# Altium PCB PCB_power_unit_3.PcbDoc
Units mm, origin at the board's own origin, x right, y up, seen from the top; angles counter-clockwise.
Board outline 73 x 61.5 mm, 4 copper layers (Top Layer, INT1, INT2, Bottom Layer), stack 1.49 mm thick; 103 components, 46 nets, 341 pads, 100 vias.
Unrouted connection lines stored in the file: 147.
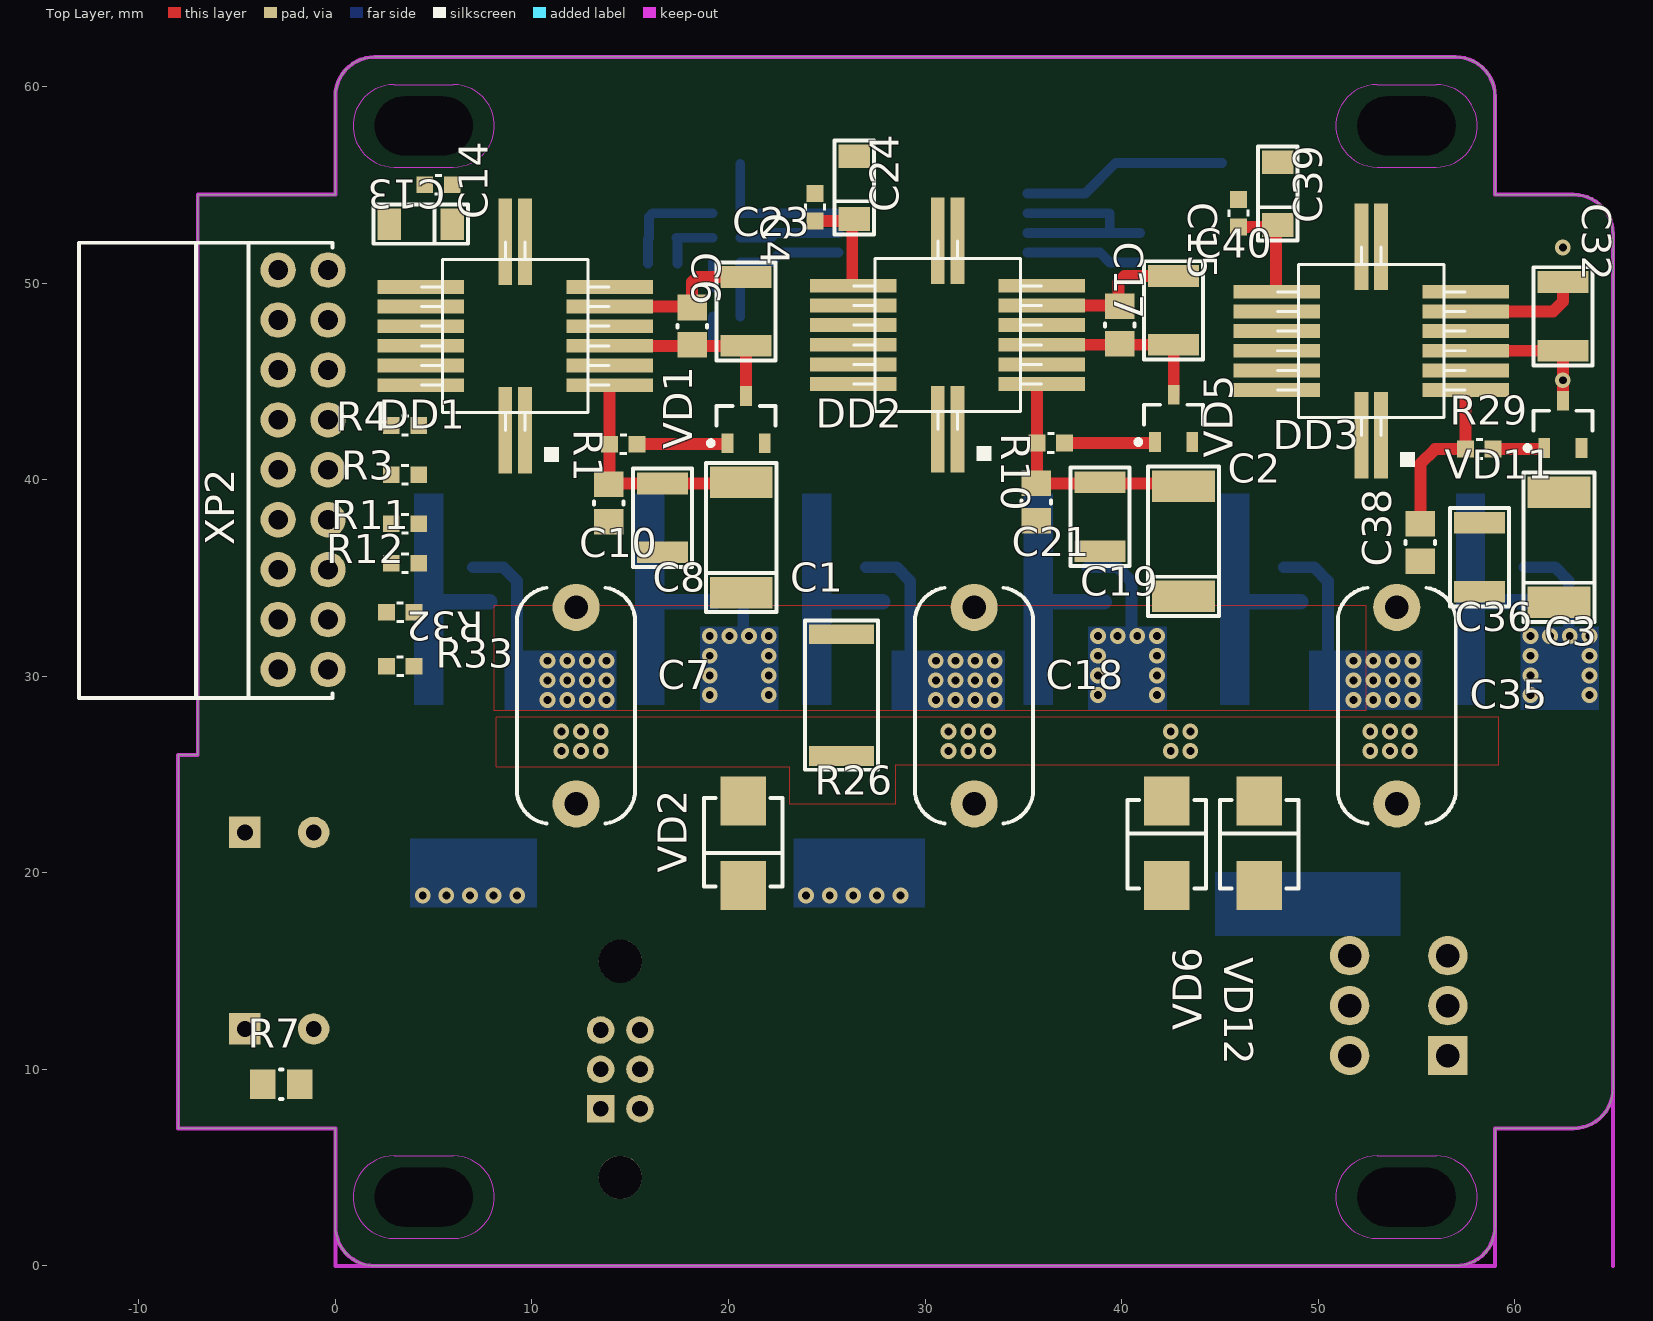
[diagram p0: Top Layer view]
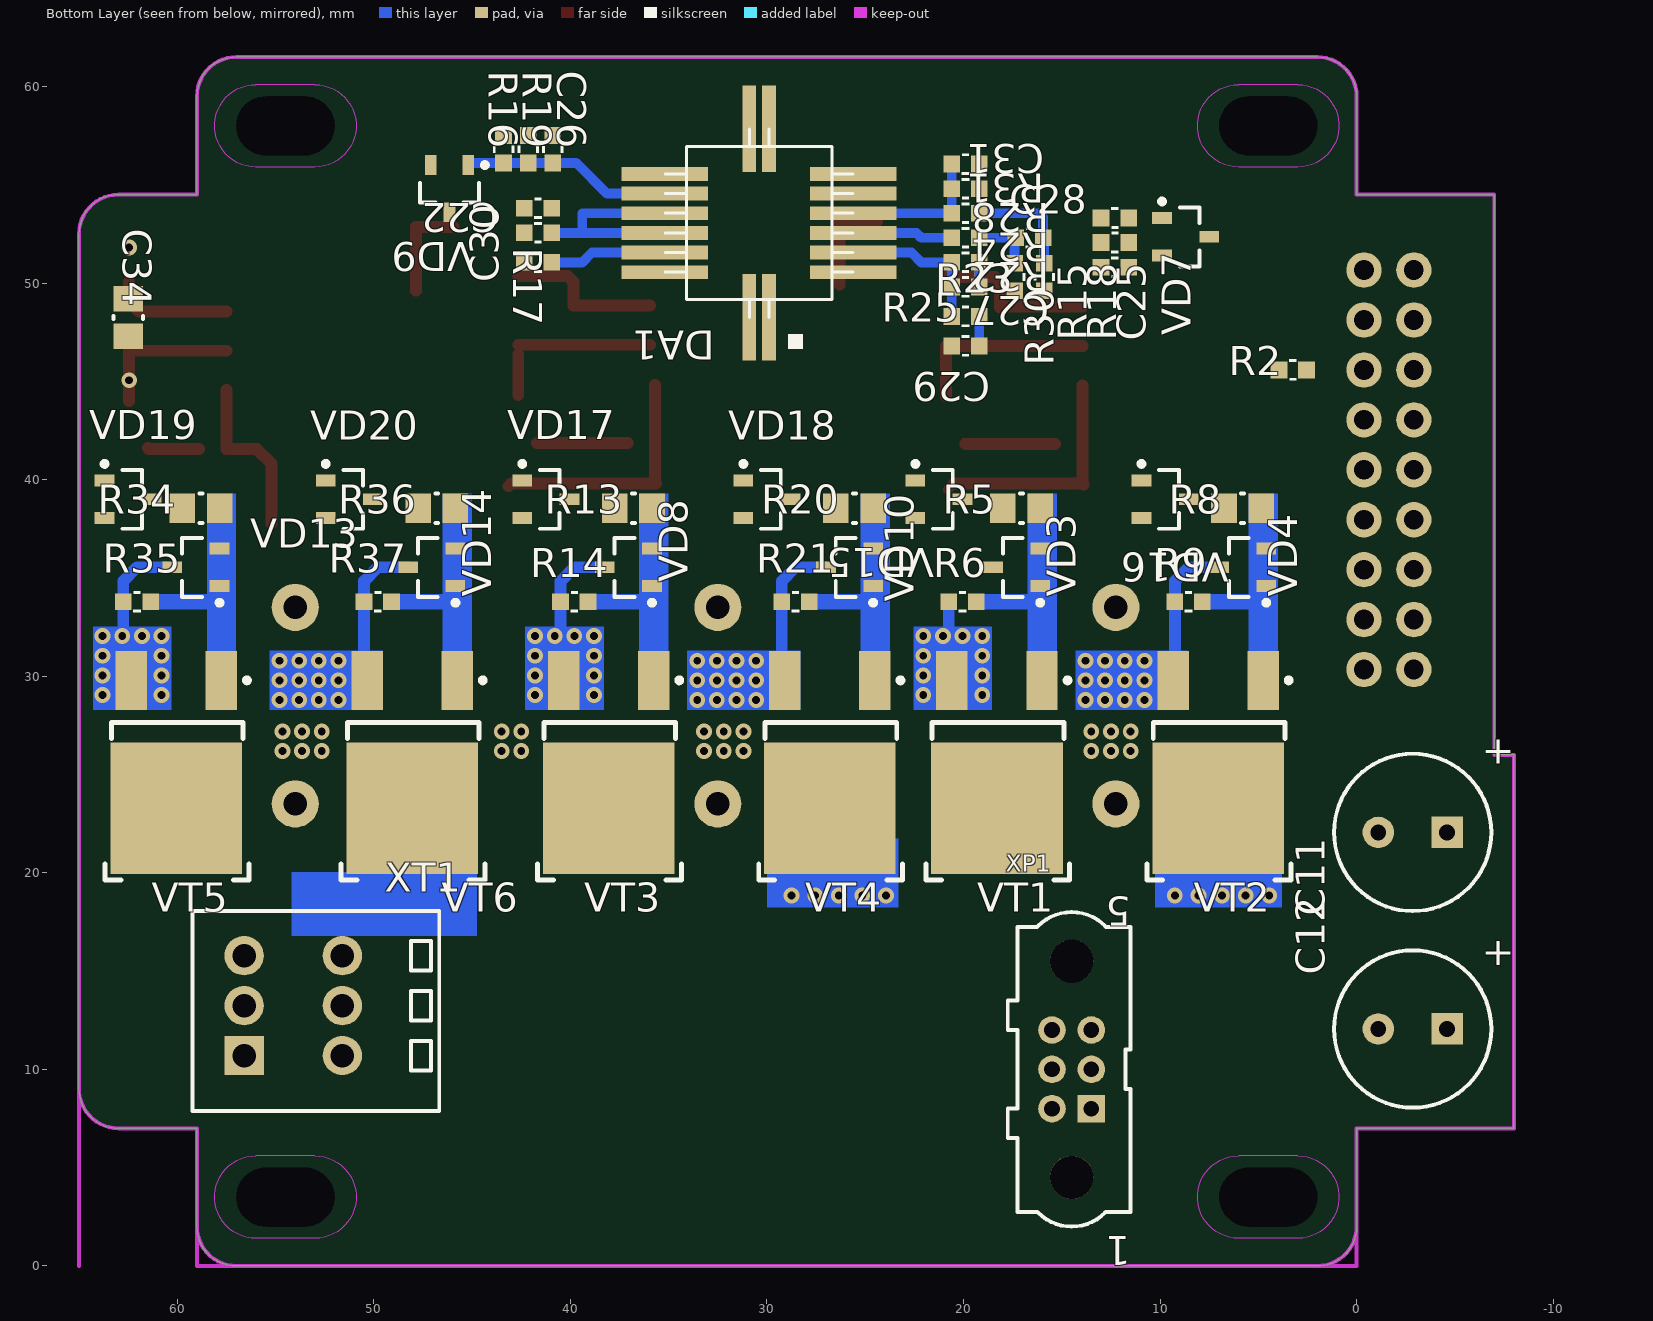
[diagram p1: Bottom Layer view, seen from below]

## Layer stack, top to bottom
Top Solder: solder mask 0.0102, Solder Resist, Dk 3.5
Top Layer: signal copper 0.035
PREPREG1: prepreg 0.32, 2116+7628, Dk 4.2
INT1: signal copper 0.035
CORE1: core 0.71, FR-4, Dk 4.2
INT2: signal copper 0.035
PREPREG2: prepreg 0.32, 2116+7628, Dk 4.2
Bottom Layer: signal copper 0.035
Bottom Solder: solder mask 0.0102, Solder Resist, Dk 3.5

## Board outline
0,2 0,7 -8,7 -8,26 -7,26 -7,54.5 0,54.5 0,59.5 cw(c2,59.5) 2,61.5 57,61.5 cw(c57,59.5) 59,59.5 59,54.5 63,54.5 cw(c63,52.5) 65,52.5 65,9 cw(c63,9) 63,7 59,7 59,2 cw(c57,2) 57,0 2,0 cw(c2,2)

## Design rules (kind name [scope] priority, off if disabled: settings)
Clearance KeepOurLayer [OnLayer('Keep-Out Layer')] p1: gap=0.5 ignorepadtopadclearanceinfootprint=FALSE except(0: Arc-Hole Track-Hole SMDPad-Hole THPad-Hole Via-Hole Fill-Hole Poly-Hole Region-Hole Text-Hole)
Clearance "Clearance_+27V and PGND" [InNetClass('DCBUS') vs InNetClass('DCBUS')] p2: gap=0.5 ignorepadtopadclearanceinfootprint=FALSE // между 27В и PGND
Clearance Clearance_DCBUS-Phases [InNetClass('DCBUS') vs InNetClass('MotorPhases')] p3: gap=0.5 ignorepadtopadclearanceinfootprint=FALSE // между ЗПТ и фазами
Clearance Clearance_Polygon [InPolygon] p4: gap=0.4 ignorepadtopadclearanceinfootprint=FALSE except(0: Arc-Hole Track-Hole SMDPad-Hole THPad-Hole Via-Hole Fill-Hole Poly-Hole Region-Hole Text-Hole)
Clearance Clearance_Fill [IsFill] p5: gap=0 ignorepadtopadclearanceinfootprint=FALSE
Clearance Clearance_IsRegion [IsRegion] p6: gap=0 ignorepadtopadclearanceinfootprint=FALSE
Clearance Clearance_MultiLayerPad [OnLayer('Multi-Layer') and IsPad] p7: gap=0.25 ignorepadtopadclearanceinfootprint=FALSE
Clearance [All] p8: gap=0.2 ignorepadtopadclearanceinfootprint=FALSE except(0: Arc-Hole Track-Hole SMDPad-Hole THPad-Hole Via-Hole Fill-Hole Poly-Hole Region-Hole Text-Hole; 0.25: SMDPad-Via THPad-Via)
ComponentClearance ComponentClearance_harwin [InComponent('XP1')] p1: gap=0.254 collisioncheckmode=3 verticalgap=2540 showdistances=FALSE
ComponentClearance ComponentClearance_caps [HasFootprint('CAP: 1210') vs HasFootprint('CAP: 1210')] p2: gap=-1 collisioncheckmode=3 verticalgap=2540 showdistances=FALSE
ComponentClearance [All] p3: gap=0.254 collisioncheckmode=3 verticalgap=0.254 showdistances=FALSE
DiffPairsRouting [All] p1: maxlimit=0.254 minlimit=0.15 mostfreqgap=0.254 toplayer_minwidth=0.15 toplayer_maxwidth=0.381 toplayer_prefwidth=0.381 midlayer1_minwidth=0.15 midlayer1_maxwidth=0.381 midlayer1_prefwidth=0.381 midlayer2_minwidth=0.15 midlayer2_maxwidth=0.381 midlayer2_prefwidth=0.381 bottomlayer_minwidth=0.15 bottomlayer_maxwidth=0.381 bottomlayer_prefwidth=0.381 maxuncoupledlength=12.7
Height [All] p1: minheight=0 maxheight=60 prefheight=12.7
HoleSize [All] p1: absolutevalues=TRUE maxlimit=5 minlimit=0.3 maxpercent=80.000 minpercent=20.000
HoleToHoleClearance [All] p1: gap=0.2 allowstackedmicrovias=TRUE
MinimumAnnularRing MinimumAnnularRing_1 [All] p1: minimumring=0.2
MinimumSolderMaskSliver [All] p1: minsoldermaskwidth=0.15
PlaneClearance [All] p1: clearance=0.5
PlaneConnect [All] p1: planeconnectstyle=Relief reliefexpansion=0.5 reliefentries=4 reliefconductorwidth=0.3 reliefairgap=0.2
PolygonConnect PolygonConnect_direct [All vs InPadClass('PowerPAD')] p1: connectstyle=Direct reliefconductorwidth=1 reliefentries=4 polygonreliefangle="90 Angle" airgapwidth=0.3
PolygonConnect PolygonConnect_thik [InComponentClass('+27 MOSFET')] p2: connectstyle=Relief reliefconductorwidth=1.5 reliefentries=4 polygonreliefangle="90 Angle" airgapwidth=0.3
PolygonConnect PolygonConnect_Via [IsVia] p3: connectstyle=Direct reliefconductorwidth=0.254 reliefentries=4 polygonreliefangle="90 Angle" airgapwidth=0.254
PolygonConnect [All] p4: connectstyle=Relief reliefconductorwidth=0.8 reliefentries=4 polygonreliefangle="90 Angle" airgapwidth=0.4
RoutingVias [All] p1: holewidth=0.3 width=0.7 viastyle="Through Hole" minholewidth=0.3 minwidth=0.7 maxholewidth=0.5 maxwidth=1.2
SilkToSilkClearance [All] p1: silktosilkclearance=0
SilkToSolderMaskClearance [IsPad] p1: minsilkscreentomaskgap=0.005 clearancetoexposedcopper=TRUE
SolderMaskExpansion [All] p1: expansion=0.1
Width [All] p1: maxlimit=10 minlimit=0.2 preferedwidth=0.6
20 further rules are at their usual default settings.

## Classes and differential pairs
pad class PowerPad: XT1-1 XT1-2 XT1-3

## Components (designator, comment, footprint, x,y, rotation, side; value= is the part's Value field where it differs from the comment)
C1 "Tantalum capacitor, 10мк, 25V, ±10%, 0.8-1Ohm, case C (6032), -60...+125°C" "CAP: TANTAL-C" 20.65,37.055 r90 top value=10мк
C2 "Tantalum capacitor, 10мк, 25V, ±10%, 0.8-1Ohm, case C (6032), -60...+125°C" "CAP: TANTAL-C" 43.15,36.86 r90 top value=10мк
C3 "Tantalum capacitor, 10мк, 25V, ±10%, 0.8-1Ohm, case C (6032), -60...+125°C" "CAP: TANTAL-C" 62.25,36.555 r90 top value=10мк
C4 "Ceramic capacitor, 1мк, Н20 (X7R), ±10%, 25V, 1210, -55...+125°C" "CAP: 1210" 20.9,48.555 r270 top value=1мк
C6 "Ceramic capacitor, 0.1мк, Н90 (Y5V), +80 -20%, 50V, 0805 (2012), -55...+125°C" "CAP: 0805P" 18.15,47.805 r270 top value=0.1мк
C7 "Film capacitor, 0.22мк, 63VDC, ±10%, Impedance, 12x10 mm, -60...+125°C" "CAP: K73-17 12X10X6" 12.25,28.5 r90 top value=0.22мк
C8 "Ceramic capacitor, 1мк, Н20 (X7R), ±10%, 25V, 1210, -55...+125°C" "CAP: 1210" 16.65,38.055 r90 top value=1мк
C10 "Ceramic capacitor, 0.1мк, Н90 (Y5V), +80 -20%, 50V, 0805 (2012), -55...+125°C" "CAP: 0805P" 13.9,38.805 r90 top value=0.1мк
C11 "Aluminium capacitor, 100мк, 63V, ±20%, 0.342Ohm@100kHz, 8x11.3x3.5 mm, -60...+100°C" "CAP: D8C3.5H12" -2.85,22.052 r0 bottom value=100мк
C12 "Aluminium capacitor, 100мк, 63V, ±20%, 0.342Ohm@100kHz, 8x11.3x3.5 mm, -60...+100°C" "CAP: D8C3.5H12" -2.85,12.052 r0 bottom value=100мк
C13 "Tantalum capacitor, 4.7мк, 10V, ±10%, 2Ohm, case A (3216), -55...+125°C" "CAP: TANTAL-A" 4.35,53 r180 top value=4.7мк
C14 "Ceramic capacitor, 0.1мк, H90, +80-20%, 10V, 0603, -55...+125°C" "CAP: 0603P" 5.25,55 r0 top value=0.1мк
C15 "Ceramic capacitor, 1мк, Н20 (X7R), ±10%, 25V, 1210, -55...+125°C" "CAP: 1210" 42.65,48.61 r270 top value=1мк
C17 "Ceramic capacitor, 0.1мк, Н90 (Y5V), +80 -20%, 50V, 0805 (2012), -55...+125°C" "CAP: 0805P" 39.9,47.86 r270 top value=0.1мк
C18 "Film capacitor, 0.22мк, 63VDC, ±10%, Impedance, 12x10 mm, -60...+125°C" "CAP: K73-17 12X10X6" 32.5,28.5 r90 top value=0.22мк
C19 "Ceramic capacitor, 1мк, Н20 (X7R), ±10%, 25V, 1210, -55...+125°C" "CAP: 1210" 38.9,38.11 r90 top value=1мк
C21 "Ceramic capacitor, 0.1мк, Н90 (Y5V), +80 -20%, 50V, 0805 (2012), -55...+125°C" "CAP: 0805P" 35.65,38.86 r90 top value=0.1мк
C22 "Ceramic capacitor, 0.01мк, H20, ±20%, 50V, 0603, -55...+125°C" "CAP: 0603P" 41.65,53.802 r180 bottom value=0.01мк
C23 "Ceramic capacitor, 0.1мк, H90, +80-20%, 10V, 0603, -55...+125°C" "CAP: 0603P" 24.4,53.86 r270 top value=0.1мк
C24 "Tantalum capacitor, 4.7мк, 10V, ±10%, 2Ohm, case A (3216), -55...+125°C" "CAP: TANTAL-A" 26.4,54.86 r90 top value=4.7мк
C25 "Ceramic capacitor, 0.01мк, H20, ±20%, 50V, 0603, -55...+125°C" "CAP: 0603P" 12.302,53.31 r0 bottom value=0.01мк
C26 "Ceramic capacitor, 0.01мк, H20, ±20%, 50V, 0603, -55...+125°C" "CAP: 0603P" 40.9,56.802 r90 bottom value=0.01мк
C27 "Ceramic capacitor, 47, МП0, ±10%, 50V, 0603, -55...+125°C" "CAP: 0603P" 19.9,49.802 r180 bottom value=47
C28 "Ceramic capacitor, 0.01мк, H20, ±20%, 50V, 0603, -55...+125°C" "CAP: 0603P" 16.65,52.302 r180 bottom value=0.01мк
C29 "Ceramic capacitor, 0.01мк, H20, ±20%, 50V, 0603, -55...+125°C" "CAP: 0603P" 19.9,46.802 r0 bottom value=0.01мк
C30 "Ceramic capacitor, 0.1мк, H90, +80-20%, 10V, 0603, -55...+125°C" "CAP: 0603P" 41.65,51.052 r180 bottom value=0.1мк
C31 "Ceramic capacitor, 47, МП0, ±10%, 50V, 0603, -55...+125°C" "CAP: 0603P" 19.9,56.052 r180 bottom value=47
C32 "Ceramic capacitor, 1мк, Н20 (X7R), ±10%, 25V, 1210, -55...+125°C" "CAP: 1210" 62.45,48.305 r270 top value=1мк
C34 "Ceramic capacitor, 0.1мк, Н90 (Y5V), +80 -20%, 50V, 0805 (2012), -55...+125°C" "CAP: 0805P" 62.5,48.25 r270 bottom value=0.1мк
C35 "Film capacitor, 0.22мк, 63VDC, ±10%, Impedance, 12x10 mm, -60...+125°C" "CAP: K73-17 12X10X6" 54,28.5 r90 top value=0.22мк
C36 "Ceramic capacitor, 1мк, Н20 (X7R), ±10%, 25V, 1210, -55...+125°C" "CAP: 1210" 58.2,36.055 r90 top value=1мк
C38 "Ceramic capacitor, 0.1мк, Н90 (Y5V), +80 -20%, 50V, 0805 (2012), -55...+125°C" "CAP: 0805P" 55.2,36.805 r90 top value=0.1мк
C39 "Tantalum capacitor, 4.7мк, 10V, ±10%, 2Ohm, case A (3216), -55...+125°C" "CAP: TANTAL-A" 47.95,54.555 r90 top value=4.7мк
C40 "Ceramic capacitor, 0.1мк, H90, +80-20%, 10V, 0603, -55...+125°C" "CAP: 0603P" 45.95,53.555 r270 top value=0.1мк
DA1 "544УД16У3 (Н04.16-1В) АЕЯР.431130.510 ТУ_разнесенная 1" 16-Н04.16-1B 30.4,53.052 r0 bottom
DD1 "Hight&Low side gate driver, VoltageWork, Frequency, 2A, supply 4...15V, Temperature, Н04.16-2В" 16-Н04.16-1B 9.15,47.305 r180 top
DD2 "Hight&Low side gate driver, VoltageWork, Frequency, 2A, supply 4...15V, Temperature, Н04.16-2В" 16-Н04.16-1B 31.15,47.36 r180 top
DD3 "Hight&Low side gate driver, VoltageWork, Frequency, 2A, supply 4...15V, Temperature, Н04.16-2В" 16-Н04.16-1B 52.7,47.055 r180 top
R1 "Resistor film, 10, ±5%, 0603, 0.1W, -55...+125°C" "RES: 0603P" 14.65,41.805 r0 top value=10
R2 "Resistor film, 10k, ±5%, 0603, 0.1W, -55...+125°C" "RES: 0603P" 3.25,45.58 r0 bottom value=10k
R3 "Resistor film, 10k, ±5%, 0603, 0.1W, -55...+125°C" "RES: 0603P" 3.55,40.25 r180 top value=10k
R4 "Resistor film, 10k, ±5%, 0603, 0.1W, -55...+125°C" "RES: 0603P" 3.55,42.75 r180 top value=10k
R5 "Resistor film, 20, ±5%, 0805, 0.125W, -55...+125°C" "RES: 0805P" 17.05,38.538 r180 bottom value=20
R6 "Resistor film, 10k, ±5%, 0603, 0.1W, -55...+125°C" "RES: 0603P" 20.05,33.788 r180 bottom value=10k
R7 "Resistor film, 10k, ±1%, 0805, 0.125W, -55...+125°C" "CAP: 0805P" -2.75,9.25 r180 top value=10k
R8 "Resistor film, 20, ±5%, 0805, 0.125W, -55...+125°C" "RES: 0805P" 5.8,38.538 r180 bottom value=20
R9 "Resistor film, 10k, ±5%, 0603, 0.1W, -55...+125°C" "RES: 0603P" 8.55,33.788 r180 bottom value=10k
R10 "Resistor film, 10, ±5%, 0603, 0.1W, -55...+125°C" "RES: 0603P" 36.4,41.86 r0 top value=10
R11 "Resistor film, 10k, ±5%, 0603, 0.1W, -55...+125°C" "RES: 0603P" 3.55,37.75 r180 top value=10k
R12 "Resistor film, 10k, ±5%, 0603, 0.1W, -55...+125°C" "RES: 0603P" 3.55,35.75 r180 top value=10k
R13 "Resistor film, 20, ±5%, 0805, 0.125W, -55...+125°C" "RES: 0805P" 36.8,38.538 r180 bottom value=20
R14 "Resistor film, 10k, ±5%, 0603, 0.1W, -55...+125°C" "RES: 0603P" 39.8,33.788 r180 bottom value=10k
R15 "Resistor film, 28k, ±1%, 0603, 0.1W, -55...+125°C" "RES: 0603P" 12.302,50.81 r0 bottom value=28k
R16 "Resistor film, 28k, ±1%, 0603, 0.1W, -55...+125°C" "RES: 0603P" 43.4,56.802 r90 bottom value=28k
R17 "Resistor film, 100, ±5%, 0603, 0.1W, -55...+125°C" "RES: 0603P" 41.65,52.552 r0 bottom value=100
R18 "Resistor film, 4.02k, ±1%, 0603, 0.1W, -55...+125°C" "RES: 0603P" 12.302,52.06 r180 bottom value=4.02k
R19 "Resistor film, 1k, ±1%, 0603, 0.1W, -55...+125°C" "RES: 0603P" 42.15,56.802 r270 bottom value=1k
R20 "Resistor film, 20, ±5%, 0805, 0.125W, -55...+125°C" "RES: 0805P" 25.55,38.538 r180 bottom value=20
R21 "Resistor film, 10k, ±5%, 0603, 0.1W, -55...+125°C" "RES: 0603P" 28.55,33.788 r180 bottom value=10k
R22 "Resistor film, 2.61k, ±1%, 0603, 0.1W, -55...+125°C" "RES: 0603P" 19.9,51.052 r0 bottom value=2.61k
R23 "Resistor film, 100, ±5%, 0603, 0.1W, -55...+125°C" "RES: 0603P" 17.4,50.302 r90 bottom value=100
R24 "Resistor film, 1k, ±1%, 0603, 0.1W, -55...+125°C" "RES: 0603P" 19.9,52.302 r0 bottom value=1k
R25 "Resistor film, 100, ±5%, 0603, 0.1W, -55...+125°C" "RES: 0603P" 19.9,48.302 r180 bottom value=100
R26 "Resistor film, 0.056, ±1%, 2512, 0.75W, -55...+125°C" "RES: 2512" 25.75,29.038 r270 top value=0.056
R28 "Resistor film, 1k, ±1%, 0603, 0.1W, -55...+125°C" "RES: 0603P" 19.9,53.552 r0 bottom value=1k
R29 "Resistor film, 10, ±5%, 0603, 0.1W, -55...+125°C" "RES: 0603P" 58.2,41.555 r0 top value=10
R30 "Resistor film, 100, ±5%, 0603, 0.1W, -55...+125°C" "RES: 0603P" 15.9,50.302 r90 bottom value=100
R31 "Resistor film, 2.61k, ±1%, 0603, 0.1W, -55...+125°C" "RES: 0603P" 19.9,54.802 r0 bottom value=2.61k
R32 "Resistor film, 10k, ±5%, 0603, 0.1W, -55...+125°C" "RES: 0603P" 3.3,33.25 r0 top value=10k
R33 "Resistor film, 10k, ±5%, 0603, 0.1W, -55...+125°C" "RES: 0603P" 3.3,30.5 r0 top value=10k
R34 "Resistor film, 20, ±5%, 0805, 0.125W, -55...+125°C" "RES: 0805P" 58.8,38.538 r180 bottom value=20
R35 "Resistor film, 10k, ±5%, 0603, 0.1W, -55...+125°C" "RES: 0603P" 62.05,33.788 r180 bottom value=10k
R36 "Resistor film, 20, ±5%, 0805, 0.125W, -55...+125°C" "RES: 0805P" 46.8,38.538 r180 bottom value=20
R37 "Resistor film, 10k, ±5%, 0603, 0.1W, -55...+125°C" "RES: 0603P" 49.8,33.788 r180 bottom value=10k
VD1 "shottki diode, 80V, 500mA; max 5 A@1ms, 0.8V, <22ns, SOT-23, -55...+150°C" SOT23#1 20.9,43.055 r90 top
VD2 "Zener diode, 56V, 8A, 0.9V, RecoveryTime, SMB, -55...+150°C" "DIODE: SMB" 20.75,21.5 r270 top
VD3 "TVS diode, 18V, 1A, VoltageDrop, RecoveryTime, SOT-23, -55...+150°C" SOT23#2 17.3,35.538 r0 bottom
VD4 "TVS diode, 18V, 1A, VoltageDrop, RecoveryTime, SOT-23, -55...+150°C" SOT23#2 5.8,35.538 r0 bottom
VD5 "shottki diode, 80V, 500mA; max 5 A@1ms, 0.8V, <22ns, SOT-23, -55...+150°C" SOT23#1 42.65,43.11 r90 top
VD6 "Zener diode, 56V, 8A, 0.9V, RecoveryTime, SMB, -55...+150°C" "DIODE: SMB" 47,21.5 r90 top
VD7 "fast Single diode, 80V, 200mA; max 1.5 A, 1V, 4ns, SOT-23, -55...+150°C" SOT23#2 8.702,52.353 r180 bottom
VD8 "TVS diode, 18V, 1A, VoltageDrop, RecoveryTime, SOT-23, -55...+150°C" SOT23#2 37.05,35.538 r0 bottom
VD9 "fast Single diode, 80V, 200mA; max 1.5 A, 1V, 4ns, SOT-23, -55...+150°C" SOT23#2 46.15,54.802 r270 bottom
VD10 "TVS diode, 18V, 1A, VoltageDrop, RecoveryTime, SOT-23, -55...+150°C" SOT23#2 25.8,35.538 r0 bottom
VD11 "shottki diode, 80V, 500mA; max 5 A@1ms, 0.8V, <22ns, SOT-23, -55...+150°C" SOT23#1 62.45,42.805 r90 top
VD12 "Zener diode, 56V, 8A, 0.9V, RecoveryTime, SMB, -55...+150°C" "DIODE: SMB" 42.3,21.5 r90 top
VD13 "TVS diode, 18V, 1A, VoltageDrop, RecoveryTime, SOT-23, -55...+150°C" SOT23#2 59.05,35.538 r0 bottom
VD14 "TVS diode, 18V, 1A, VoltageDrop, RecoveryTime, SOT-23, -55...+150°C" SOT23#2 47.05,35.538 r0 bottom
VD15 "shottki diode, 80V, 500mA; max 5 A@1ms, 0.8V, <22ns, SOT-23, -55...+150°C" SOT23#2 21.25,39 r180 bottom
VD16 "shottki diode, 80V, 500mA; max 5 A@1ms, 0.8V, <22ns, SOT-23, -55...+150°C" SOT23#2 9.75,39 r180 bottom
VD17 "shottki diode, 80V, 500mA; max 5 A@1ms, 0.8V, <22ns, SOT-23, -55...+150°C" SOT23#2 41.25,39 r180 bottom
VD18 "shottki diode, 80V, 500mA; max 5 A@1ms, 0.8V, <22ns, SOT-23, -55...+150°C" SOT23#2 30,39 r180 bottom
VD19 "shottki diode, 80V, 500mA; max 5 A@1ms, 0.8V, <22ns, SOT-23, -55...+150°C" SOT23#2 62.5,39 r180 bottom
VD20 "shottki diode, 80V, 500mA; max 5 A@1ms, 0.8V, <22ns, SOT-23, -55...+150°C" SOT23#2 51.25,39 r180 bottom
VT1 "MOSFET N-channel transistor, 100V, 32A@+25°C, 59nC, 2.5W, 45mOhm, 3200pF, DPAK (KT-89), -55...+150°C" DPAK 18.3,26.538 r270 bottom
VT2 "MOSFET N-channel transistor, 100V, 32A@+25°C, 59nC, 2.5W, 45mOhm, 3200pF, DPAK (KT-89), -55...+150°C" DPAK 7.05,26.538 r270 bottom
VT3 "MOSFET N-channel transistor, 100V, 32A@+25°C, 59nC, 2.5W, 45mOhm, 3200pF, DPAK (KT-89), -55...+150°C" DPAK 38.05,26.538 r270 bottom
VT4 "MOSFET N-channel transistor, 100V, 32A@+25°C, 59nC, 2.5W, 45mOhm, 3200pF, DPAK (KT-89), -55...+150°C" DPAK 26.8,26.538 r270 bottom
VT5 "MOSFET N-channel transistor, 100V, 32A@+25°C, 59nC, 2.5W, 45mOhm, 3200pF, DPAK (KT-89), -55...+150°C" DPAK 60.05,26.538 r270 bottom
VT6 "MOSFET N-channel transistor, 100V, 32A@+25°C, 59nC, 2.5W, 45mOhm, 3200pF, DPAK (KT-89), -55...+150°C" DPAK 48.05,26.538 r270 bottom
XP1 "Power" "CON: M80-5000605" 14.5,15.5 r0 bottom
XP2 "Connector, 18pin, 2.54mm, 500VAC, 3A" "CON: PLD-18R" -2.91,50.66 r90 top
XT1 "Terminal connector, 3pin, 3.5mm, 300VAC, 6A" "CON: 233-403 WAGO" 51.6,10.7 r90 bottom locked
